# Altium PCB Booster_Main_Board.PcbDoc (part 9 of 13)
Units mm, origin at the board's own origin, x right, y up, seen from the top; angles counter-clockwise.
Board outline 400.01 x 117.51 mm, 4 copper layers (Component Side, Signal Layer 1, Power Plane, Solder Side), stack 1.604 mm thick; 1091 components, 573 nets, 3133 pads, 1954 vias.
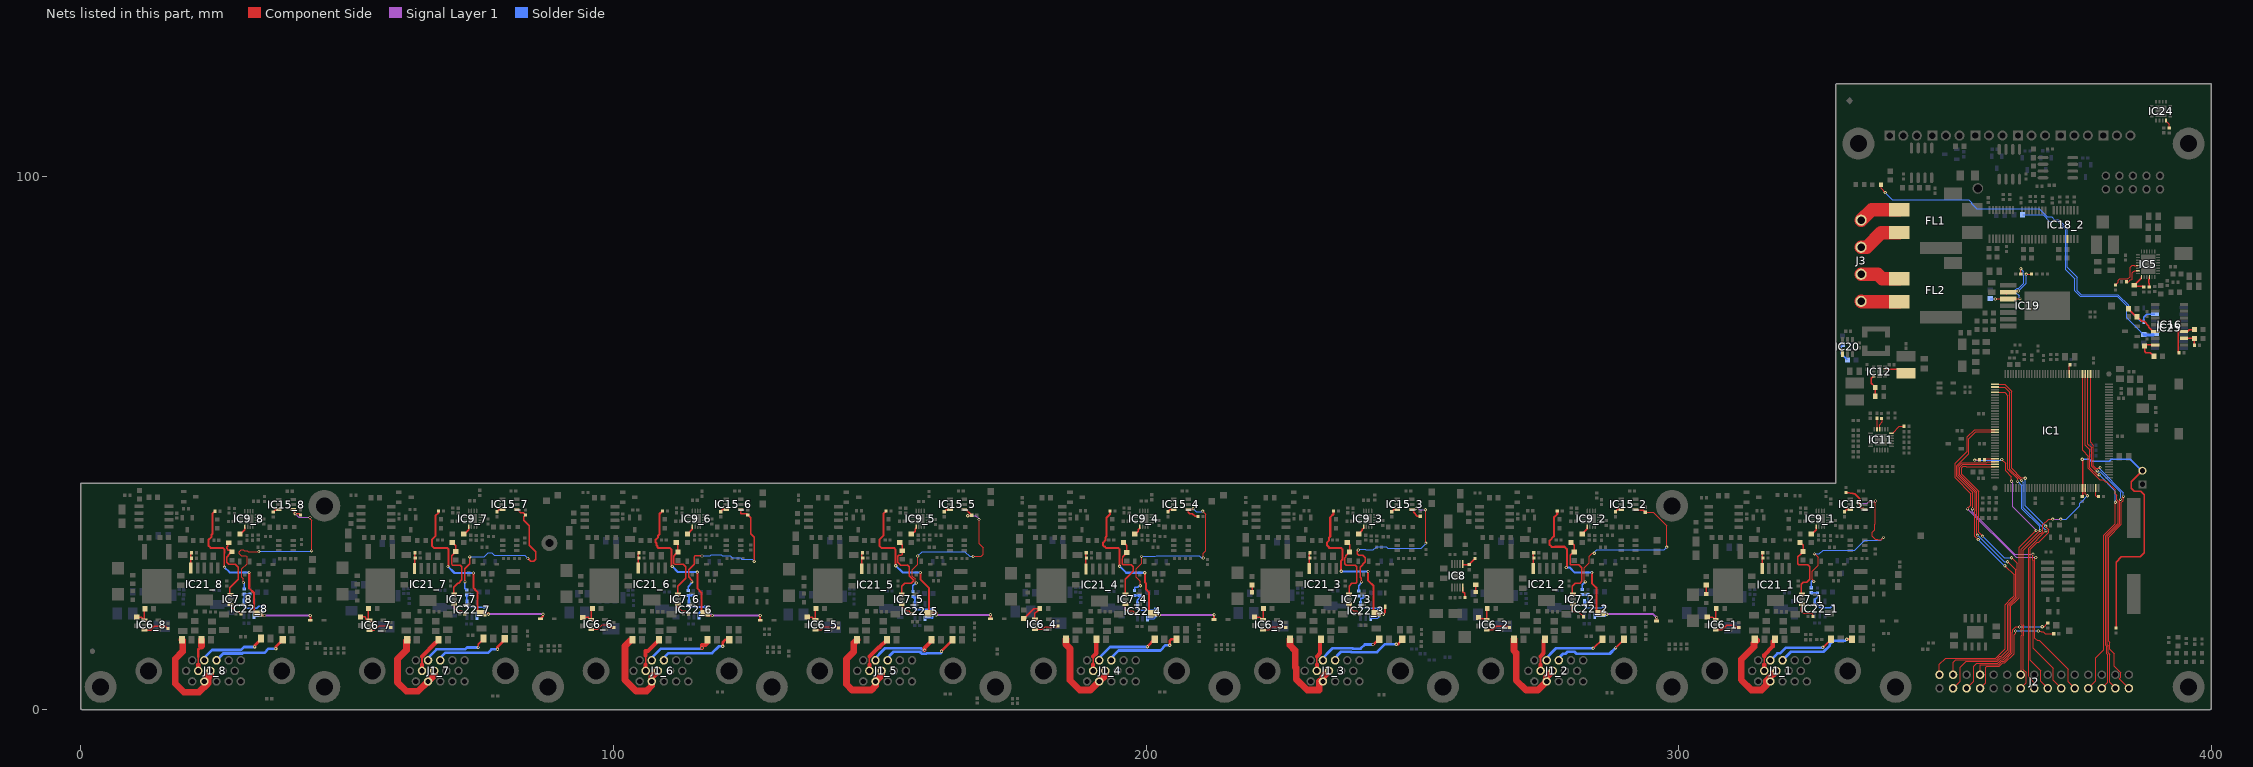
[diagram p11: the nets of this part, all layers, seen from the top]

## Via types
v1: diameter 0.6, hole 0.3, Component Side to Solder Side, tented both sides, 1808 vias
v2: diameter 0.6, hole 0.3, Component Side to Solder Side, 77 vias
v3: diameter 0.5, hole 0.3, Component Side to Solder Side, 40 vias
v4: diameter 1.27, hole 0.711, Component Side to Solder Side, tented both sides, 24 vias
v5: diameter 1.2, hole 0.8, Component Side to Solder Side, tented both sides, 5 vias

## Nets (pads, with @x,y where several pads share a name; then routed paths per layer and width w, separated by ;. In a path a pad name is that pad's centre, name@x,y a point inside that pad or via, vN(x,y) a via of type N, cw(c..) or ccw(c..) an arc to the next point about the centre after c; other vN are vias at no path point) (continued)
NetD6_2_2: D6_2.2 IC22_2.1 R38_2.1 R104_2.1 R115_2.1 | length 42.1
  Component Side w0.254: R38_2.1@285.223,18.087 285.403,17.907 v1(286.461,17.907) v1@286.531,17.907
  Component Side w0.381: R104_2.1@277.184,37.265 277.184,36.671 276.567,36.054 276.567,32.524 275.76,31.717 275.76,30.9 276.137,30.523 276.697,30.523 276.739,30.564 278.544,30.564 279.008,30.1 279.008,26.792 v1(278.886,26.67) ; v1(283.693,25.705) 283.693,23.693 284.514,22.872 284.514,18.28 R38_2.1@284.658,18.136 ; D6_2.2@295.829,16.637 v1(295.829,17.272)
  Signal Layer 1 w0.381: v1(286.461,17.907) 295.194,17.907 v1(295.829,17.272)
  Solder Side w0.254: IC22_2.1@284.228,17.53 286.085,17.53 v1(286.461,17.907) 286.406,17.907 R115_2.1@285.882,18.43
  Solder Side w0.381: v1(278.886,26.67) 279.502,26.67 280.467,25.705 v1(283.693,25.705)
NetD6_3_2: D6_3.2 IC22_3.1 R38_3.1 R104_3.1 R115_3.1 | length 34.2
  Component Side w0.381: R104_3.1@235.184,37.265 235.184,36.708 234.567,36.091 234.567,32.501 234.348,32.282 234.348,31.743 233.916,31.312 233.916,30.875 233.994,30.797 234.371,30.42 234.371,30.324 234.392,30.303 236.641,30.303 236.864,30.08 236.864,28.165 236.628,27.928 v1(236.628,25.954) ; v1(241.681,25.908) 241.681,24.21 242.704,23.187 242.704,18.471 243.088,18.087 R38_3.1@243.223,18.087 243.403,17.907 v1(244.551,17.907) 244.551,17.922 244.869,18.24 D6_3.2@244.869,19.286
  Solder Side w0.254: IC22_3.1@242.178,17.157 243.413,17.157 243.628,17.372 R115_3.1@243.628,18.037 244.421,18.037 v1(244.551,17.907)
  Solder Side w0.381: v1(236.628,25.954) 237.927,25.954 237.977,25.904 241.677,25.904 v1(241.681,25.908)
NetD6_4_2: D6_4.2 IC22_4.1 R38_4.1 R104_4.1 R115_4.1 | length 42.7
  Component Side w0.381: R104_4.1@193.184,37.265 193.184,36.618 192.567,36.001 192.567,32.501 192.348,32.282 192.348,31.743 191.916,31.312 191.916,30.779 192.118,30.577 192.239,30.577 192.513,30.303 194.805,30.303 195.021,30.087 v1(195.021,26.899) ; v1(199.746,25.679) 199.753,25.672 199.753,23.912 199.977,23.689 199.977,22.582 200.514,22.045 200.514,18.471 200.898,18.087 R38_4.1@201.223,18.087 201.53,17.78 v1(202.514,17.78) ; D6_4.2@212.771,16.891 v1(212.771,17.78)
  Signal Layer 1 w0.381: v1(202.514,17.78) v1(212.771,17.78)
  Solder Side w0.381: v1(195.021,26.899) 196.24,25.679 v1(199.746,25.679) ; IC22_4.1@200.278,17.059 201.388,17.059 201.828,17.499 R115_4.1@201.828,17.944 202.35,17.944 v1(202.514,17.78)
NetD6_5_2: D6_5.2 IC22_5.1 R38_5.1 R104_5.1 R115_5.1 | length 42.2
  Component Side w0.381: R104_5.1@151.184,37.265 150.665,36.746 150.665,32.642 149.916,31.893 149.916,30.779 150.392,30.303 152.718,30.303 152.941,30.08 152.941,27.435 152.968,27.408 152.968,27.042 v1(153.01,27) ; v1(157.632,25.73) 157.632,24.433 159.223,22.843 R38_5.1@159.223,18.087 160.711,18.087 ; D6_5.2@170.78,17.028 v1(170.78,17.78)
  Signal Layer 1 w0.381: v1(160.604,17.78) v1(170.78,17.78)
  Solder Side w0.381: v1(153.01,27) 154.28,25.73 v1(157.632,25.73) ; IC22_5.1@158.478,17.144 159.859,17.144 159.859,17.809 R115_5.1@159.828,17.839 160.545,17.839 v1(160.604,17.78)
NetD6_6_2: D6_6.2 IC22_6.1 R38_6.1 R104_6.1 R115_6.1 | length 42.2
  Component Side w0.381: R104_6.1@109.169,37.28 R104_6.1@109.184,37.265 108.636,36.717 108.636,32.915 108.397,32.675 108.397,32.374 107.916,31.893 107.916,31.405 108.115,31.206 108.115,30.843 108.288,30.67 108.288,30.407 108.392,30.303 110.641,30.303 110.864,30.08 110.864,27.117 111.049,26.932 v1(111.049,26.873) ; v1(115.748,25.806) 115.777,25.777 115.777,23.319 115.748,23.29 115.748,22.737 116.514,21.971 116.514,18.471 116.898,18.087 R38_6.1@117.223,18.087 117.657,17.653 v1(118.567,17.653) ; D6_6.2@127.554,16.764 v1(127.554,17.653)
  Signal Layer 1 w0.381: v1(118.567,17.653) v1(127.554,17.653)
  Solder Side w0.381: v1(111.049,26.873) 112.116,25.806 v1(115.748,25.806) ; IC22_6.1@116.07,17.414 116.07,18.131 116.233,18.294 R115_6.1@117.32,18.294 117.926,18.294 v1(118.567,17.653)
NetD6_7_2: D6_7.2 IC22_7.1 R38_7.1 R104_7.1 R115_7.1 | length 43.3
  Component Side w0.254: R38_7.1@75.223,18.087 76.53,18.087 v1@76.711,18.087
  Component Side w0.381: R104_7.1@67.184,37.265 67.184,36.983 66.567,36.366 66.567,32.544 65.916,31.893 65.916,30.779 66.392,30.303 68.805,30.303 69.006,30.102 69.006,26.969 v1(68.91,26.873) ; v1(73.711,25.629) 73.711,22.835 74.003,22.543 74.003,22.522 74.514,22.012 74.514,18.471 74.898,18.087 R38_7.1@75.223,18.087 ; D6_7.2@86.279,17.018 86.779,17.518 v1(86.779,17.907)
  Signal Layer 1 w0.381: v1(76.53,17.907) v1(86.779,17.907)
  Solder Side w0.381: v1(68.91,26.873) 70.155,25.629 v1(73.711,25.629) ; IC22_7.1@74.378,17.401 74.378,18.126 74.533,18.281 R115_7.1@75.828,18.281 76.202,17.907 v1(76.53,17.907)
NetD6_8_2: D6_8.2 IC22_8.1 R38_8.1 R104_8.1 R115_8.1 | length 40.9
  Component Side w0.254: 26.943,29.388 26.943,26.753 v1(26.949,26.746)
  Component Side w0.381: R104_8.1@25.184,37.236 24.689,36.741 24.689,32.939 24.567,32.817 24.567,32.472 23.98,31.885 23.98,30.763 24.372,30.371 26.608,30.371 27.006,29.972 27.006,29.388 ; v1(31.598,25.756) 31.623,25.73 31.623,22.765 32.514,21.875 32.514,18.443 32.898,18.058 R38_8.1@33.223,18.058 33.628,17.653 v1(34.493,17.653) ; D6_8.2@43.082,16.738 v1(43.082,17.653)
  Signal Layer 1 w0.381: v1(34.493,17.653) v1(43.082,17.653)
  Solder Side w0.254: IC22_8.1@32.533,17.557 33.84,17.557 33.983,17.7 ; R115_8.1@33.983,18.437 33.983,17.7 ; v1(34.493,17.653) 34.029,17.653 33.983,17.7
  Solder Side w0.381: v1(26.949,26.746) 27.94,25.756 v1(31.598,25.756)
NetD15_1: D15.1 IC25.13 LD6.1 | length 69.8
  Component Side w0.152: LD6.1@337.972,98.45 337.972,97.841 v1(338.76,97.053)
  Solder Side w0.152: v1(338.76,97.053) 340.081,95.733 354.482,95.733 355.041,95.174 355.041,94.971 355.956,94.056 367.639,94.056 369.176,92.519 370.002,92.519 370.523,91.998 371.349,91.998 372.948,90.399 372.948,83.007 374.828,81.128 374.828,78.587 375.538,77.876 382.448,77.876 384.454,75.87 384.454,75.082 386.639,72.898 387.193,72.898 D15.1@387.299,72.792
  Solder Side w0.254: D15.1@387.299,72.898 387.299,73.609 387.883,74.193 IC25.13@389.4,74.193
NetFB3_1_2: FB3_1.2 J1_1.13 | length 14.9
  Component Side w0.508: v1(331.546,13.208) FB3_1.2@332.551,13.208
  Solder Side w0.508: J1_1.13@319.478,9.234 320.151,9.907 320.157,9.907 321.096,10.847 327.211,10.847 328.326,11.962 328.326,12.227 329.003,12.904 331.242,12.904 v1(331.546,13.208)
NetFB3_2_2: FB3_2.2 J1_2.13 | length 14.7
  Component Side w0.254: v1(288.144,11.572) 288.144,11.6 FB3_2.2@289.752,13.208
  Solder Side w0.508: J1_2.13@276.986,9.234 278.225,10.473 278.722,10.473 279.096,10.847 280.432,10.847 280.806,10.473 287.045,10.473 v1(288.144,11.572)
NetFB3_3_2: FB3_3.2 J1_3.13 | length 14.9
  Component Side w0.508: v1(246.942,12.268) 247.283,12.268 FB3_3.2@248.223,13.208
  Solder Side w0.508: J1_3.13@234.986,9.234 236.599,10.847 238.432,10.847 238.505,10.774 243.354,10.774 244.848,12.268 v1(246.942,12.268)
NetFB3_4_2: FB3_4.2 J1_4.13 | length 14.8
  Component Side w0.508: v1(204.428,12.082) 204.428,12.836 204.8,13.208 FB3_4.2@205.678,13.208
  Solder Side w0.508: J1_4.13@192.986,9.234 194.827,11.074 202.667,11.074 203.675,12.082 v1(204.428,12.082)
NetFB3_5_2: FB3_5.2 J1_5.13 | length 14.7
  Component Side w0.508: v1(161.583,10.954) 161.583,11.023 FB3_5.2@163.641,13.081
  Solder Side w0.508: J1_5.13@150.986,9.234 152.599,10.847 157.498,10.847 157.898,10.448 158.709,10.448 158.853,10.592 161.403,10.592 161.583,10.772 v1(161.583,10.954)
NetFB3_6_2: FB3_6.2 J1_6.13 | length 14.8
  Component Side w0.508: v1(120.531,11.866) 120.531,12.632 120.98,13.081 FB3_6.2@121.731,13.081
  Solder Side w0.508: J1_6.13@108.986,9.234 110.344,10.592 118.491,10.592 119.765,11.866 v1(120.531,11.866)
NetFB3_7_2: FB3_7.2 J1_7.13 | length 14.4
  Component Side w0.508: v1(78.228,11.303) 78.228,11.742 FB3_7.2@79.567,13.081
  Solder Side w0.508: J1_7.13@66.986,9.234 68.395,10.643 76.454,10.643 77.114,11.303 v1(78.228,11.303)
NetFB3_8_2: FB3_8.2 J1_8.13 | length 14.7
  Component Side w0.508: v1(36.628,11.43) 36.628,11.798 FB3_8.2@37.911,13.081
  Solder Side w0.508: J1_8.13@24.986,9.205 J1_8.13@25.478,9.205 ; J1_8.13@25.478,9.234 26.747,10.503 30.309,10.503 30.46,10.654 34.479,10.654 35.255,11.43 v1(36.628,11.43)
NetFB4_1_1: FB4_1.1 J1_1.2 J1_1.8 | length 17.9
  Component Side w1.27: FB4_1.1@314.644,12.954 314.126,12.436 314.126,11.792 311.728,9.394 311.728,5.583 313.625,3.687 315.564,3.687 316.494,4.616 316.494,5.41 316.775,5.692 J1_1.8@318.337,7.254
NetFB4_2_1: FB4_2.1 J1_2.2 J1_2.8 | length 17.5
  Component Side w1.27: FB4_2.1@269.051,13.208 269.051,11.06 269.478,10.633 269.478,5.504 271.296,3.687 273.564,3.687 275.151,5.274 J1_2.2@275.192,5.274 275.192,6.109 J1_2.8@276.337,7.254
NetFB4_3_1: FB4_3.1 J1_3.2 J1_3.8 | length 17.8
  Component Side w1.27: FB4_3.1@227.014,13.208 227.014,12.076 227.978,11.112 227.978,8.004 228.178,7.804 228.178,5.758 230.249,3.687 232.494,3.687 232.494,5.274 J1_3.2@233.192,5.274 233.192,6.109 J1_3.8@234.337,7.254
NetFB4_4_1: FB4_4.1 J1_4.2 J1_4.8 | length 17.3
  Component Side w1.27: FB4_4.1@184.977,13.208 184.977,12.203 185.728,11.452 185.728,5.504 187.546,3.687 189.564,3.687 191.151,5.274 J1_4.2@191.192,5.274 192.337,6.419 J1_4.8@192.337,7.254
NetFB4_5_1: FB4_5.1 J1_5.2 J1_5.8 | length 18.6
  Component Side w1.27: FB4_5.1@145.734,13.081 145.126,12.473 145.126,10.902 143.728,9.504 143.728,4.754 144.796,3.687 148.411,3.687 149.192,4.468 J1_5.2@149.192,5.274 150.337,6.419 J1_5.8@150.337,7.254
NetFB4_6_1: FB4_6.1 J1_6.2 J1_6.8 | length 18.4
  Component Side w1.27: FB4_6.1@103.126,12.902 102.178,11.954 102.178,5.554 104.228,3.504 106.228,3.504 107.192,4.468 J1_6.2@107.192,5.274 107.192,6.109 ; 107.639,6.596 107.192,6.15 107.192,6.109 ; J1_6.8@108.018,7.24 108.185,7.407 J1_6.8@108.337,7.254 107.192,6.109
NetFB4_7_1: FB4_7.1 J1_7.2 J1_7.8 | length 18.4
  Component Side w1.27: FB4_7.1@61.279,13.081 61.126,12.928 61.126,11.152 59.478,9.504 59.478,5.076 61.117,3.437 63.314,3.437 65.151,5.274 J1_7.2@65.192,5.274 66.337,6.419 J1_7.8@66.337,7.254
NetFB4_8_1: FB4_8.1 J1_8.2 J1_8.8 | length 20.7
  Component Side w1.27: FB4_8.1@18.988,13.081 19.126,12.943 19.126,10.902 17.728,9.504 17.728,4.852 19.327,3.254 22.228,3.254 23.891,4.917 23.891,5.944 ; J1_8.2@23.192,5.245 23.891,5.944 ; J1_8.8@24.337,7.225 24.337,6.39 ; 23.891,5.944 24.296,6.349 ; 23.891,5.944 23.891,6.349 24.296,6.349 ; 24.296,6.349 24.308,6.349 24.337,6.378 24.337,6.39 ; 24.296,6.349 24.337,6.39
NetFB5_1_2: FB5_1.2 J1_1.12 | length 13.3
  Component Side w0.254: v1(327.049,11.684) 327.079,11.684 328.614,13.219 FB5_1.2@328.614,13.208 FB5_1.2@328.614,13.081
  Solder Side w0.508: J1_1.12@317.192,9.234 318.52,10.562 319.028,10.562 320.09,11.624 327.004,11.624 326.944,11.684 v1(327.049,11.684)
NetFB5_2_2: FB5_2.2 J1_2.12 | length 13.6
  Component Side w0.254: v1(283.921,11.507) 283.987,11.507 FB5_2.2@285.688,13.208 ; FB5_2.2@285.688,13.208 285.688,13.6 285.884,13.404 FB5_2.2@285.688,13.208
  Solder Side w0.508: J1_2.12@274.7,9.234 276.973,11.507 280.706,11.507 ; 280.706,11.507 v1(283.921,11.507)
NetFB5_3_2: FB5_3.2 J1_3.12 | length 13
  Component Side w0.508: v1(242.602,12.217) 242.65,12.217 243.778,13.346 FB5_3.2@243.778,13.208
  Solder Side w0.508: J1_3.12@232.7,9.234 234.973,11.507 238.706,11.507 238.778,11.435 240.278,11.435 241.061,12.217 v1(242.602,12.217)
NetFB5_4_2: FB5_4.2 J1_4.12 | length 12.6
  Component Side w0.508: v1(200.244,11.799) 200.244,11.838 FB5_4.2@201.614,13.208
  Solder Side w0.508: J1_4.12@190.7,9.234 193.201,11.735 200.181,11.735 v1(200.244,11.799)
NetFB5_5_2: FB5_5.2 J1_5.12 | length 13.7
  Component Side w0.762: v1(158.416,11.154) 158.416,11.556 159.892,13.031 159.704,13.219 FB5_5.2@159.704,13.081
  Solder Side w0.508: J1_5.12@148.7,9.234 150.973,11.507 157.772,11.507 158.125,11.154 v1(158.416,11.154)
NetFB5_6_2: FB5_6.2 J1_6.12 | length 12.8
  Component Side w0.762: v1(116.628,11.554) 116.628,12.081 117.303,12.081 FB5_6.2@117.693,12.471 ; FB5_6.2@117.667,13.081 FB5_6.2@117.667,13.219
  Solder Side w0.508: J1_6.12@106.7,9.234 108.858,11.392 116.466,11.392 v1(116.628,11.554)
NetFB5_7_2: FB5_7.2 J1_7.12 | length 13
  Component Side w0.254: v1(74.594,11.659) 74.594,12.299 FB5_7.2@75.63,13.335
  Solder Side w0.508: J1_7.12@64.7,9.234 66.769,11.303 72.146,11.303 72.502,11.659 v1(74.594,11.659)
NetFB5_8_2: FB5_8.2 J1_8.12 | length 13.8
  Component Side w0.508: v1(32.652,11.754) 32.652,12.007 34.046,13.401 33.847,13.6 FB5_8.2@33.847,13.335
  Solder Side w0.508: J1_8.12@22.7,9.205 24.658,11.163 30.035,11.163 30.626,11.754 v1(32.652,11.754)
NetFB6_1_1: FB6_1.1 J1_1.7 | length 6.8
  Component Side w0.254: 316.051,8.489 316.051,10.003
  Component Side w0.762: J1_1.7@316.051,7.254 316.051,8.489 ; 316.051,10.003 316.051,10.269 317.64,11.858 317.64,12.775 FB6_1.1@318.073,13.208
NetFB6_2_1: FB6_2.1 J1_2.7 | length 6.3
  Component Side w0.305: 274.049,8.491 274.049,9.977
  Component Side w0.762: 274.049,8.491 274.051,8.489 J1_2.7@274.051,7.254 ; 274.049,9.977 274.64,10.567 274.64,12.955 FB6_2.1@274.893,13.208
NetFB6_3_1: FB6_3.1 J1_3.7 | length 6.3
  Component Side w0.305: 232.049,8.491 232.049,9.977
  Component Side w0.762: 232.049,8.491 232.051,8.489 J1_3.7@232.051,7.254 ; 232.049,9.977 232.64,10.567 232.64,12.992 FB6_3.1@232.856,13.208
NetFB6_4_1: FB6_4.1 J1_4.7 | length 6.2
  Component Side w0.305: 190.049,8.491 190.049,9.977
  Component Side w0.762: 190.049,8.491 190.051,8.489 J1_4.7@190.051,7.254 ; 190.049,9.977 190.64,10.567 190.64,13.156 FB6_4.1@190.692,13.208
NetFB6_5_1: FB6_5.1 J1_5.7 | length 7.3
  Component Side w0.305: 148.049,8.491 148.049,9.977
  Component Side w0.762: 148.049,8.491 148.051,8.489 J1_5.7@148.051,7.254 ; 148.049,9.977 149.728,11.656 149.897,11.656 FB6_5.1@151.322,13.081
NetFB6_6_1: FB6_6.1 J1_6.7 | length 6.9
  Component Side w0.254: FB6_6.1@108.523,13.07 FB6_6.1@108.523,13.081
  Component Side w0.305: 106.049,8.491 106.049,9.977
  Component Side w0.762: 106.022,10.156 106.022,11.004 106.457,11.004 FB6_6.1@108.523,13.07 ; 106.049,8.491 106.051,8.489 J1_6.7@106.051,7.254
NetFB6_7_1: FB6_7.1 J1_7.7 | length 6.4
  Component Side w0.305: 64.049,8.491 64.049,9.977
  Component Side w0.762: 64.049,8.491 64.051,8.489 J1_7.7@64.051,7.254 ; 64.049,9.977 FB6_7.1@66.638,12.565
NetFB6_8_1: FB6_8.1 J1_8.7 | length 7.4
  Component Side w0.254: 22.049,8.462 22.049,9.948
  Component Side w0.305: 22.049,8.462 22.049,7.227 J1_8.7@22.051,7.225
  Component Side w0.508: 22.049,9.948 22.049,11.305 22.671,11.927
  Component Side w0.762: 22.049,8.462 22.051,8.46 J1_8.7@22.051,7.254 J1_8.7@22.051,7.225
  Component Side w1.27: 22.671,11.927 FB6_8.1@22.671,13.081
NetFL1_1: FL1.1 J3.1 | length 8
  Component Side w2.54: J3.1@334.228,91.874 336.208,93.854 FL1.1@341.378,93.854
NetFL1_3: FL1.3 J3.2 | length 8.3
  Component Side w2.54: J3.2@334.228,86.794 335.268,86.794 338.028,89.554 FL1.3@341.378,89.554
NetFL2_1: FL2.1 J3.3 | length 7.5
  Component Side w2.54: J3.3@334.228,81.714 337.357,81.714 338.217,80.854 FL2.1@341.378,80.854
NetFL2_3: FL2.3 J3.4 | length 7.2
  Component Side w2.54: J3.4@334.228,76.634 334.308,76.554 FL2.3@341.378,76.554
NetIC1_40: IC1.40 J2.2 | length 65.3
  Component Side w0.152: IC1.40@377.303,62.999 377.303,50.154 377.85,49.606 377.85,45.734 378.241,45.344 379.024,45.344 v1(379.095,45.415) ; v1(383.489,40.005) 383.304,39.82 383.459,39.665 383.459,39.227 383.103,38.872 383.103,34.746 380.746,32.389 380.746,12.778 380.949,12.575 380.949,11.303 381.787,10.465 381.787,8.159 382.997,6.95 382.997,6.098 382.696,5.797 J2.2@384.508,3.984
  Solder Side w0.152: v1(379.095,45.415) 379.095,45.07 383.489,40.676 v1(383.489,40.005)
NetIC1_41: IC1.41 J2.4 | length 63.6
  Component Side w0.152: IC1.41@376.803,62.999 376.803,49.841 377.49,49.154 377.49,45.664 378.348,44.806 v1(378.562,44.806) ; J2.4@381.968,3.984 380.873,5.079 380.873,10.414 380.644,10.643 380.644,11.965 380.441,12.168 380.441,32.515 382.799,34.872 382.799,39.314 v1(382.93,39.446)
  Solder Side w0.152: v1(378.562,44.806) 378.77,44.598 379.136,44.598 382.93,40.803 v1(382.93,39.446)
NetIC1_42: IC1.42 J2.8 | length 63.7
  Component Side w0.152: IC1.42@376.303,62.999 376.303,49.651 377.185,48.769 377.185,45.434 378.551,44.069 v1(378.917,44.069) ; J2.8@376.888,3.984 378.282,5.378 378.282,9.677 379.832,11.227 379.832,32.767 381.965,34.901 v1(381.965,38.913)
  Solder Side w0.152: v1(378.917,44.069) 381.965,41.021 v1(381.965,38.913)
NetIC1_43: IC1.43 J2.6 | length 64
  Component Side w0.152: IC1.43@375.803,62.999 375.803,48.656 376.88,47.579 376.88,45.308 379.002,43.187 379.645,43.187 380.024,42.809 380.382,42.809 381.94,41.251 381.94,40.547 382.214,40.272 382.214,39.415 382.494,39.135 382.494,34.999 380.136,32.641 380.136,12.042 380.34,11.839 380.34,10.516 380.568,10.288 380.568,5.124 J2.6@379.428,3.984
NetIC1_48: IC1.48 R2.2 | length 1.8
  Component Side w0.152: IC1.48@373.303,62.999 373.303,64.578 R2.2@373.443,64.719
NetIC1_73: IC1.73 J2.14 | length 65.8
  Component Side w0.152: IC1.73@359.353,61.049 361.215,61.049 361.35,60.914 361.361,60.914 362.56,59.715 362.56,48.412 362.488,48.341 362.488,45.283 364.211,43.561 364.922,43.561 v1(365.049,43.434) ; v1(368.884,34.442) 368.884,34.326 369.464,33.747 369.464,33.309 367.57,31.415 367.319,31.415 365.968,30.064 365.968,9.266 367.944,7.29 367.944,5.308 J2.14@369.268,3.984
  Solder Side w0.152: v1(365.049,43.434) 365.049,38.278 v1(368.884,34.442)
NetIC1_74: IC1.74 J2.16 | length 63.4
  Component Side w0.152: IC1.74@359.353,60.549 361.168,60.549 362.183,59.533 362.183,45.157 363.88,43.46 363.88,43.434 364.287,43.028 v1(364.363,43.028) ; J2.16@366.728,3.984 366.728,5.069 365.663,6.134 365.663,30.256 v1(368.935,33.528)
  Solder Side w0.152: v1(364.363,43.028) 364.719,42.672 364.719,37.86 368.935,33.644 v1(368.935,33.528)
NetIC1_76: IC1.76 J2.17 | length 59.4
  Component Side w0.152: IC1.76@359.353,59.549 361.177,59.549 361.798,58.928 361.798,45.085 363.601,43.282 v1@363.601,42.875 ; J2.17@364.188,6.524 364.338,6.673 364.338,13.866 364.507,14.035 364.507,14.473 364.338,14.642 364.338,15.117 364.506,15.285 364.506,15.723 364.338,15.891 364.338,30.124 v1(367.843,33.63)
  Solder Side w0.152: v1(363.601,42.824) 364.414,42.012 364.414,37.734 367.741,34.407 367.741,33.731 v1(367.843,33.63)
NetIC1_90: IC1.90 J2.10 | length 66.3
  Component Side w0.152: v1(354.203,37.668) 354.859,38.324 354.859,40.518 351.871,43.505 351.871,43.828 351.867,43.828 351.866,43.83 351.866,46.228 354.152,48.514 354.152,51.181 355.52,52.549 IC1.90@359.353,52.549 ; v1(367.03,28.55) 366.878,28.397 366.878,13.357 367.259,12.975 367.72,12.975 373.151,7.544 373.151,5.181 J2.10@374.348,3.984
  Signal Layer 1 w0.152: v1(354.203,37.668) 363.322,28.55 v1(367.03,28.55)
NetIC1_91: IC1.91 J2.12 | length 63.5
  Component Side w0.152: v1(355.143,37.668) 355.186,37.668 355.186,40.818 352.176,43.828 352.176,45.784 354.457,48.066 354.457,50.851 355.752,52.146 359.255,52.146 IC1.91@359.353,52.049 ; v1(366.497,29.185) 366.497,28.016 366.547,27.965 366.547,11.506 370.297,7.757 370.297,5.495 J2.12@371.808,3.984
  Signal Layer 1 w0.152: v1(355.143,37.668) 355.143,37.159 363.118,29.185 v1(366.497,29.185)
NetIC1_101: IC1.101 R3.1 | length 2
  Component Side w0.152: R3.1@357.416,46.914 357.551,47.049 IC1.101@359.353,47.049
NetIC1_102: IC1.102 J2.29 | length 62.2
  Component Side w0.152: J2.29@348.948,6.524 348.948,8.461 350.127,9.64 359.525,9.64 361.259,11.374 361.259,19.664 362.556,20.96 362.575,20.96 362.936,21.32 362.936,25.296 v1(361.228,27.004) ; v1(356.21,31.902) 355.9,32.212 355.889,32.212 355.579,32.522 355.579,37.306 355.671,37.398 355.671,40.764 352.481,43.955 352.481,45.658 353.147,46.325 354.09,46.325 354.106,46.309 357.735,46.309 357.974,46.549 IC1.102@359.353,46.549
  Solder Side w0.152: v1(356.21,31.902) 361.108,27.004 v1(361.228,27.004)
NetIC1_103: IC1.103 J2.27 | length 60
  Component Side w0.152: J2.27@351.488,6.524 351.488,8.868 351.956,9.336 359.652,9.336 360.298,9.982 360.528,9.982 361.728,11.183 361.728,19.701 362.682,20.655 362.702,20.655 363.241,21.194 363.241,26.242 v1(361.728,27.754) ; v1(356.108,32.741) 355.987,32.861 355.987,40.879 352.785,44.081 352.785,45.532 353.274,46.02 353.964,46.02 353.98,46.004 359.308,46.004 IC1.103@359.353,46.049
  Solder Side w0.152: v1(356.108,32.741) 356.119,32.741 361.106,27.754 v1(361.728,27.754)
NetIC1_104: IC1.104 J2.28 | length 61.7
  Component Side w0.152: J2.28@351.488,3.984 352.831,5.327 352.831,7.899 353.963,9.031 359.778,9.031 360.425,9.677 360.807,9.677 362.033,10.903 362.033,19.575 362.808,20.35 362.828,20.35 363.545,21.068 363.545,27.436 v1(362.477,28.504) ; v1(357.048,32.563) 356.292,33.318 356.292,41.005 353.09,44.207 353.09,45.406 353.4,45.715 353.838,45.715 353.99,45.563 359.338,45.563 IC1.104@359.353,45.549
  Solder Side w0.152: v1(357.048,32.563) 361.107,28.504 v1(362.477,28.504)
NetIC1_138: IC1.138 JP2.2 R4.1 R42.2 | length 55.6
  Component Side w0.254: R4.1@375.729,39.998 375.803,40.072 IC1.138@375.803,41.599 375.803,46.93 v1(375.742,46.99) ; R42.2@382.092,15.278 382.092,27.661 383.083,28.651 386.639,28.651 387.426,29.439 387.426,40.284 386.69,41.021 385.521,41.021 384.962,41.58 384.962,42.748 JP2.2@387.045,44.831
  Solder Side w0.254: v1(375.742,46.99) 377.053,46.99 377.46,46.584 380.789,46.584 381.195,46.99 384.788,46.99 JP2.2@386.742,45.036
NetIC1_139: IC1.139 J2.18 | length 45.6
  Component Side w0.152: J2.18@364.188,3.984 365.217,5.013 365.217,6.991 364.719,7.489 364.719,13.816 364.812,13.909 364.812,14.599 364.719,14.692 364.719,15.066 364.811,15.159 364.811,15.849 364.719,15.941 364.719,29.921 367.898,33.101 368.062,33.101 368.371,33.411 368.371,34.208 368.356,34.223 368.356,34.661 369.448,35.754 v1(370.227,35.754) ; IC1.139@376.303,41.599 376.303,40.537 v1(376.707,40.132)
  Signal Layer 1 w0.152: v1(370.227,35.754) v1(371.727,35.754)